# Altium PCB FOC_Controller.PcbDoc (part 1 of 2) (continued)
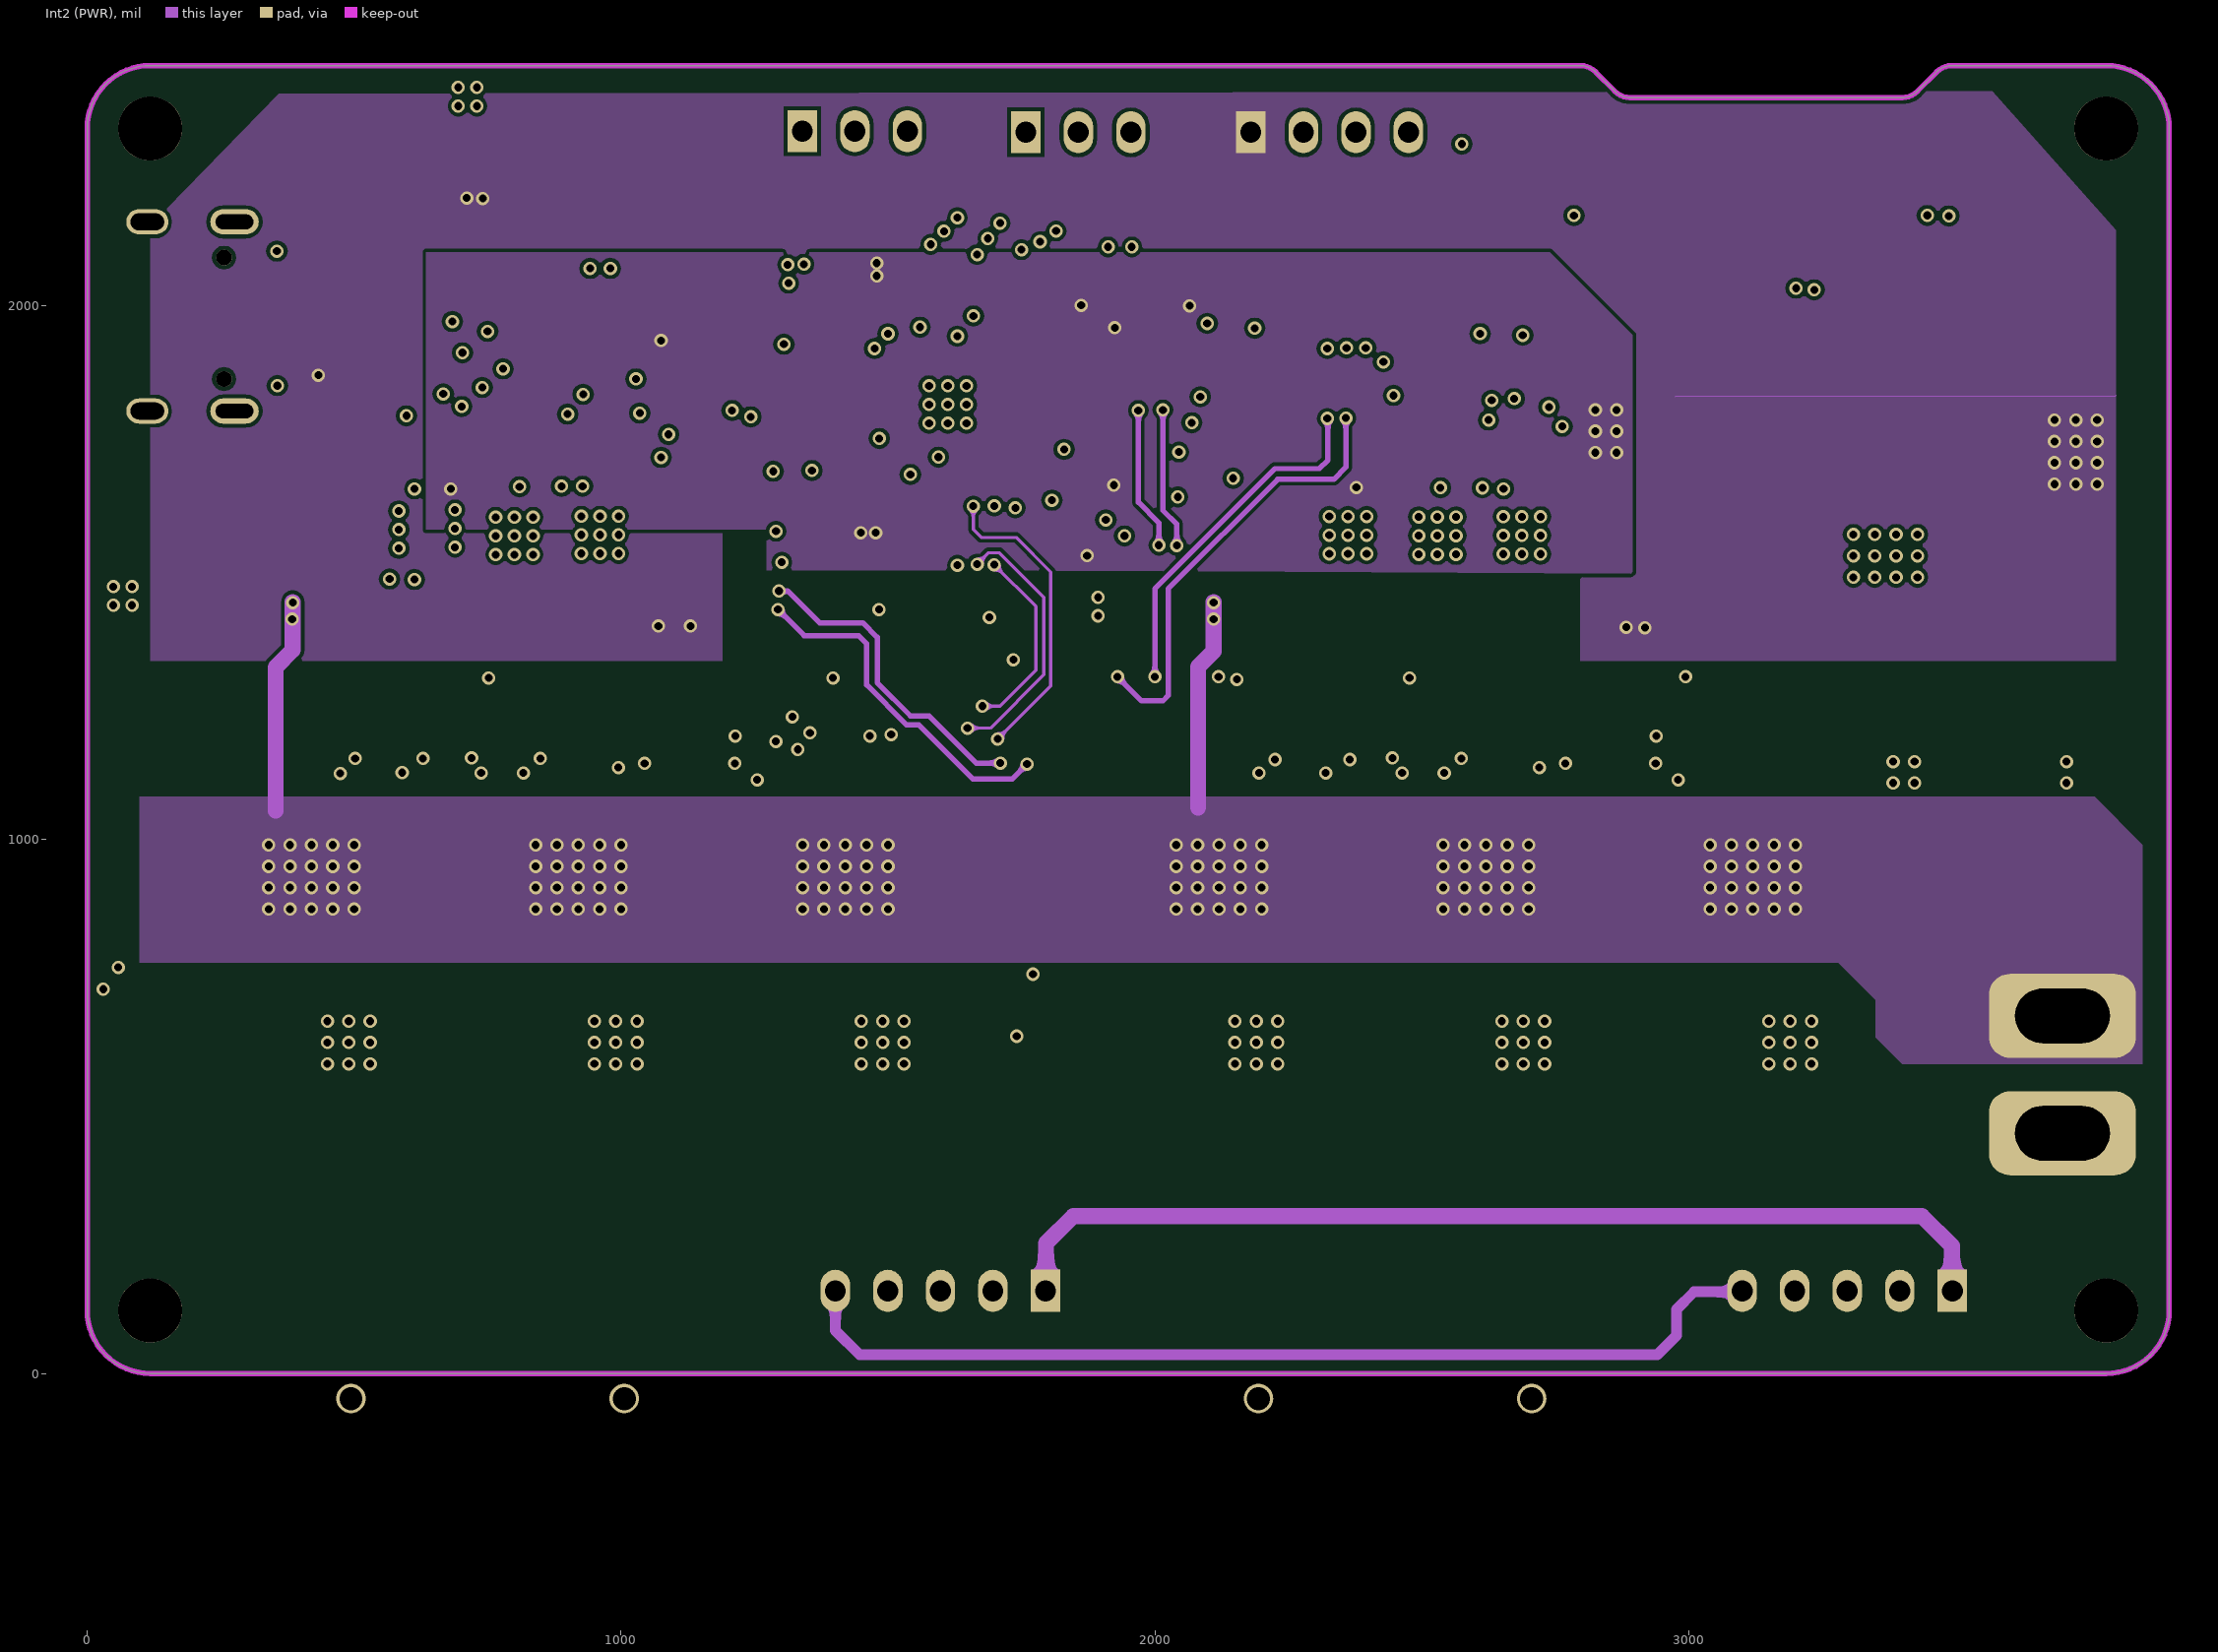
[diagram p3: Int2 (PWR)]
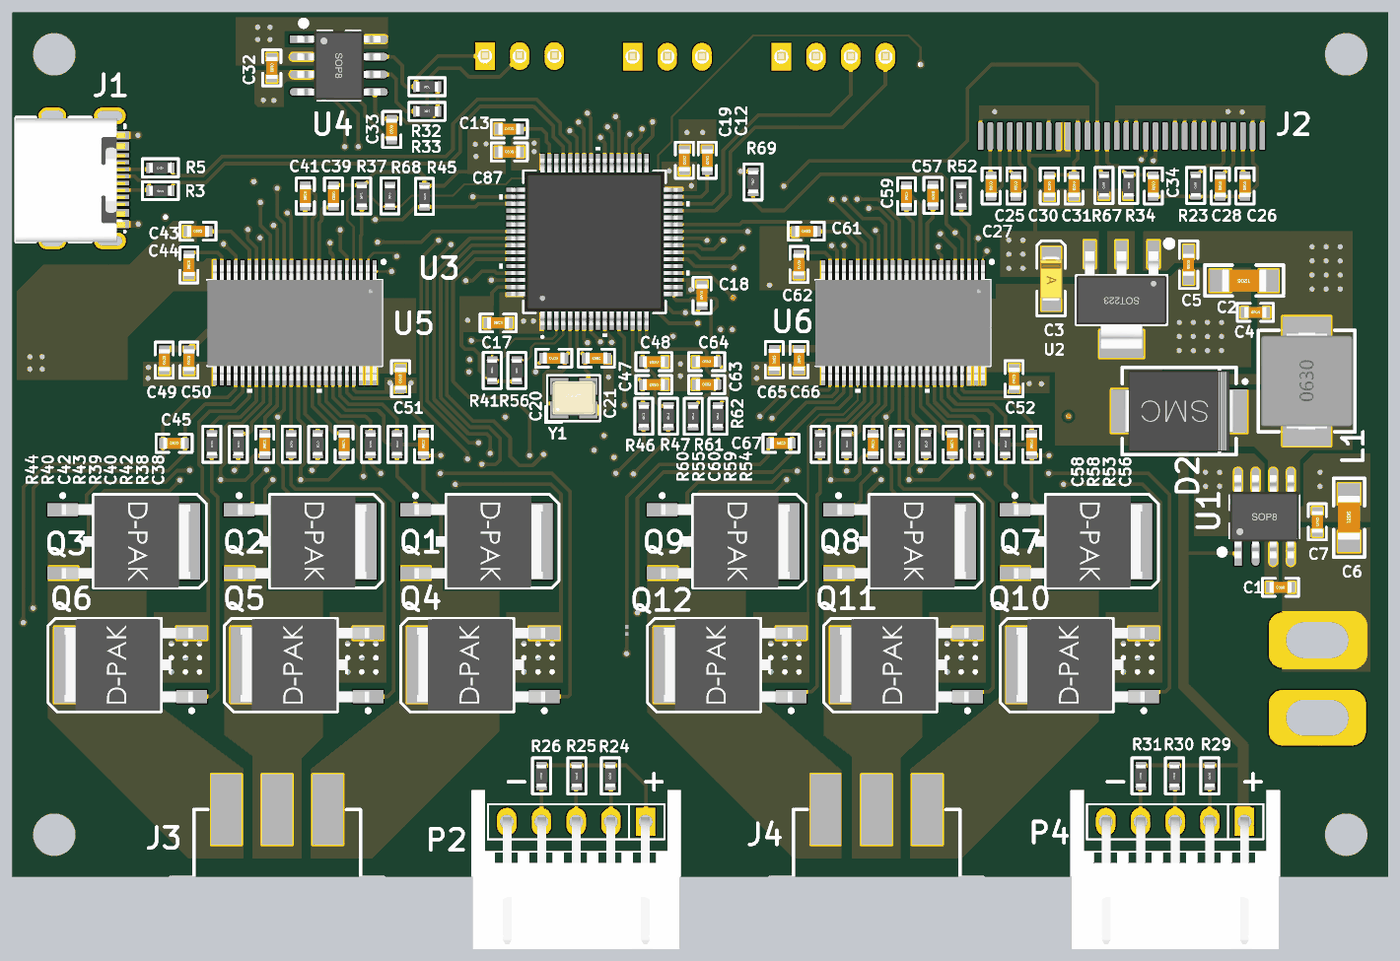
[diagram p5: 3D render of the assembled board from above, using the file's embedded part models]
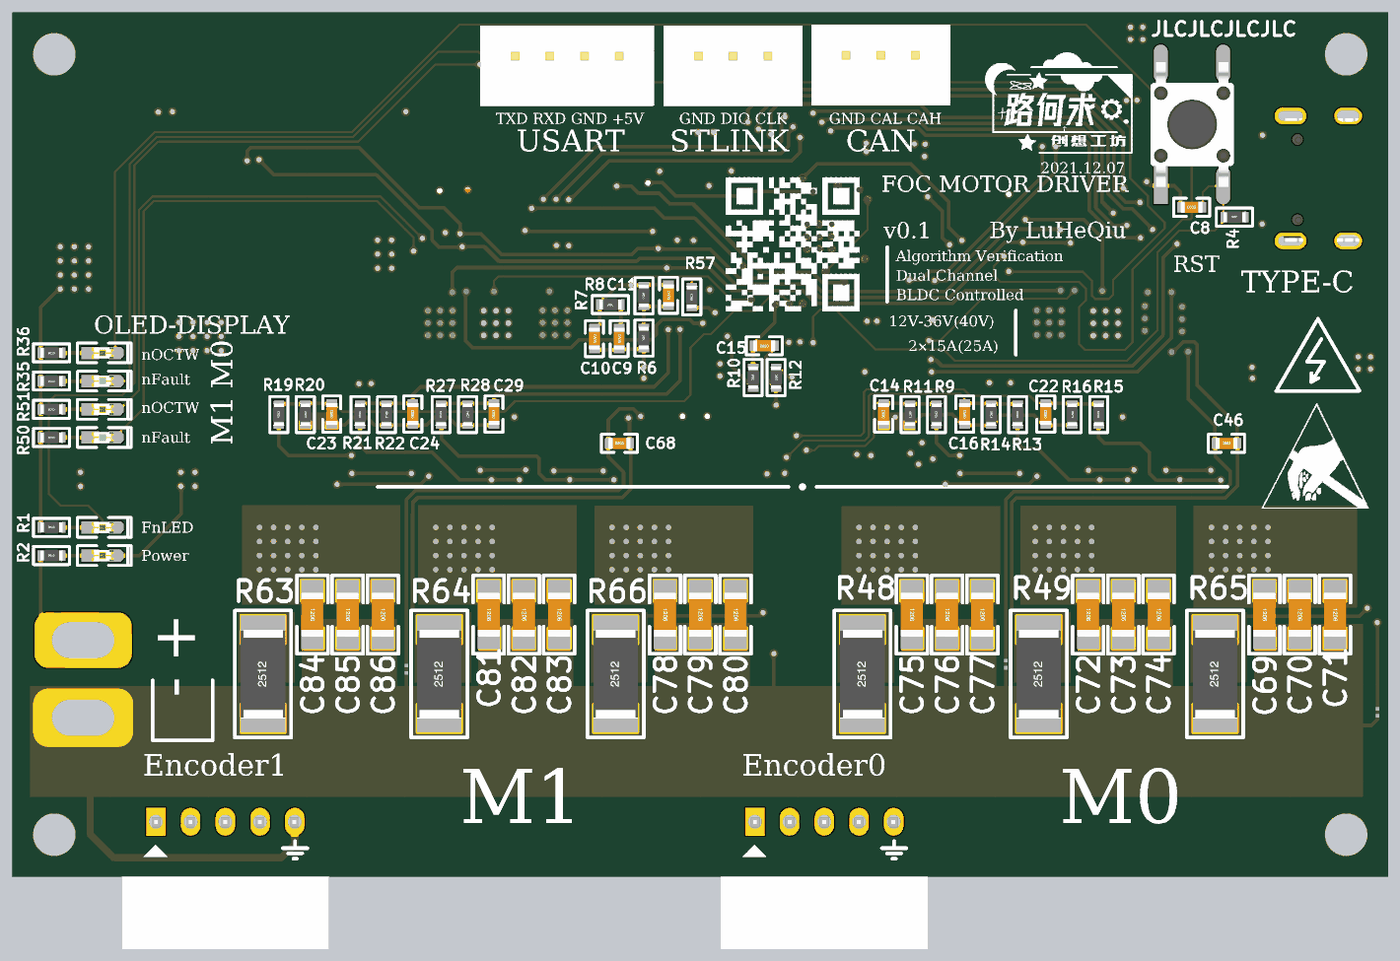
[diagram p6: 3D render of the assembled board from below, using the file's embedded part models]

## Layer stack, top to bottom
Top Solder: solder mask 1, SM-001, Dk 4
Top Layer: signal copper 1.378
Dielectric 1: prepreg 5.1, PP-017, Dk 4.3
Dielectric 2: prepreg 5.1, PP-017, Dk 4.3
Int1 (GND): signal copper 1.378
Dielectric 3: core 28, Core-039, Dk 4.8
Int2 (PWR): signal copper 1.378
Dielectric 4: prepreg 5.1, PP-017, Dk 4.3
Dielectric 5: prepreg 5.1, PP-017, Dk 4.3
Bottom Layer: signal copper 1.378
Bottom Solder: solder mask 1, SM-001, Dk 4

## Board outline
118.11,0.15 cw(c118.11,118.26) 0,118.26 0,118.11 0,2331.89 cw(c118.11,2331.89) 118.11,2450 2796.93,2450 2796.93,2449.93 cw(c2796.93,2409.93) 2825.22,2438.22 2861.72,2401.72 ccw(c2890,2430) 2890,2390 3400,2390 ccw(c3400,2430) 3428.28,2401.72 3464.78,2438.22 cw(c3493.07,2409.93) 3493.07,2449.93 3493.07,2450 3781.89,2450 cw(c3781.89,2331.89) 3900,2331.89 3900,118.11 cw(c3781.89,118.11) 3781.89,0

## Design rules (kind name [scope] priority, off if disabled: settings)
Clearance [All] p1: gap=7 ignorepadtopadclearanceinfootprint=FALSE
DiffPairsRouting [All] p1: maxlimit=10 minlimit=10 mostfreqgap=10 toplayer_minwidth=10 toplayer_maxwidth=15 toplayer_prefwidth=15 midlayer1_minwidth=10 midlayer1_maxwidth=15 midlayer1_prefwidth=15 midlayer2_minwidth=10 midlayer2_maxwidth=15 midlayer2_prefwidth=15 bottomlayer_minwidth=10 bottomlayer_maxwidth=15 bottomlayer_prefwidth=15 maxuncoupledlength=500
HoleSize [All] p1: absolutevalues=TRUE maxlimit=248.03 minlimit=5 maxpercent=80.000 minpercent=20.000
HoleToHoleClearance [All] p1: gap=7 allowstackedmicrovias=TRUE
PlaneConnect [All] p1: planeconnectstyle=Direct reliefexpansion=20 reliefentries=4 reliefconductorwidth=10 reliefairgap=10
PolygonConnect [All] p1: connectstyle=Direct reliefconductorwidth=10 reliefentries=4 polygonreliefangle="90 Angle" airgapwidth=10
RoutingVias [All] p1: holewidth=15 width=25 viastyle="Through Hole" minholewidth=10 minwidth=15 maxholewidth=25 maxwidth=50
SilkToSilkClearance [All] p1: silktosilkclearance=6
SilkToSolderMaskClearance [IsPad] p1: minsilkscreentomaskgap=6 clearancetoexposedcopper=TRUE
SolderMaskExpansion [All] p1: expansion=4
Width [All] p1: maxlimit=100 minlimit=6 preferedwidth=10
24 further rules are at their usual default settings.

## Classes and differential pairs
component class FOC_Driver: C38 C39 C40 C41 C42 C43 C44 C45 C46 C47 C48 C49 C50 C51 C52 C56 C57 C58 C59 C60 C61 C62 C63 C64 C65 C66 C67 C68 C69 C70 C71 C72 C73 C74 C75 C76 C77 C78 C79 C80 C81 C82 C83 C84 C85 C86 D4 D5 D6 D7 J3 J4 NT1 NT2 NT3 NT4 NT5 Q1 Q2 Q3 Q4 Q5 Q6 Q7 Q8 Q9 Q10 Q11 Q12 R35 R36 R37 R38 R39 R40 R41 R42 R43 R44 R45 R46 R47 R48 R49 R50 R51 R52 R53 R54 R55 R56 R57 R58 R59 R60 R61 R62 R63 R64 R65 R66 R68 R69 U5 U6
component class FOC_Controller: C1 C2 C3 C4 C5 C6 C7 C8 C9 C10 C11 C12 C13 C14 C15 C16 C17 C18 C19 C20 C21 C22 C23 C24 C25 C26 C27 C28 C29 C30 C31 C32 C33 C34 C87 D1 D2 D3 J1 J2 L1 P1 P2 P3 P4 P5 R1 R2 R3 R4 R5 R6 R7 R8 R9 R10 R11 R12 R13 R14 R15 R16 R19 R20 R21 R22 R23 R24 R25 R26 R27 R28 R29 R30 R31 R32 R33 R34 R67 S1 U1 U2 U3 U4 Y1
differential pair USBD: +USBD_P -USBD_N

## Components (designator, comment, footprint, x,y, rotation, side; value= is the part's Value field where it differs from the comment)
C1 "Cap" "C 0603_L" 3595.59,820 r180 top value=1μF
C2 "Cap Pol1" "C 1206_M" 3492.5,1690 r180 top value=100μF
C3 "Cap Pol1" "CD A(3216)" 2945,1695 r270 top value=22μF
C4 "Cap" "C 0603_L" 3524.41,1600 r0 top value=1μF
C5 "Cap" "C 0603_M" 3335,1735 r90 top value=10μF
C6 "Cap Pol1" "C 1206_M" 3790,1017.5 r90 top value=47μF
C7 "Cap" "C 0603_L" 3700,1005.59 r270 top value=1μF
C8 "Cap" "C 0603_L" 556.5,1898 r180 bottom value=100nF
C9 "Cap" "C 0603_L" 2180,1525.5 r270 bottom value=0.01μF
C10 "Cap" "C 0603_L" 2250,1525.5 r270 bottom value=0.1μF
C11 "Cap" "C 0603_L" 2040,1648.5 r270 bottom value=0.1μF
C12 "Cap" "C 0603_L" 1970,2031.5 r270 top value=2.2μF
C13 "Cap" "C 0603_L" 1408.5,2120 r0 top value=2.2μF
C14 "Cap" "C 0603_L" 1430,1311.5 r90 bottom value=0.1μF
C15 "Cap" "C 0603_L" 1768.5,1505 r0 bottom value=100nF
C16 "Cap" "C 0603_L" 1200,1311.5 r90 bottom value=0.1μF
C17 "Cap" "C 0603_L" 1376.5,1570 r0 top value=100nF
C18 "Cap" "C 0603_L" 1955,1648.5 r90 top value=100nF
C19 "Cap" "C 0603_L" 1905,2031.5 r270 top value=100nF
C20 "Cap" "C 0603_L" 1534.41,1470 r0 top value=20pF
C21 "Cap" "C 0603_L" 1655.59,1470 r180 top value=20pF
C22 "Cap" "C 0603_L" 970,1311.5 r90 bottom value=0.1μF
C23 "Cap" "C 0603_L" 2995,1311.5 r90 bottom value=0.1μF
C24 "Cap" "C 0603_L" 2765,1311.5 r90 bottom value=0.1μF
C25 "Cap" "C 0603_L" 2845,1958.5 r90 top value="4.7μF 16V X7R"
C26 "Cap" "C 0603_L" 3495,1958.5 r90 top value=2.2μF
C27 "Cap" "C 0603_L" 2775,1958.5 r90 top value="1μF 16V X5R"
C28 "Cap" "C 0603_L" 3425,1958.5 r90 top value=4.7μF
C29 "Cap" "C 0603_L" 2535,1311.5 r90 bottom value=0.1μF
C30 "Cap" "C 0603_L" 2940,1958.5 r270 top value=1μF
C31 "Cap" "C 0603_L" 3010,1958.5 r270 top value="1μF 16V"
C32 "Cap" "C 0603_L" 735,2293.5 r270 top value=100nF
C33 "Cap" "C 0603_L" 1075,2118.5 r90 top value=47nF
C34 "Cap" "C 0603_L" 3235,1958.5 r270 top value=4.7μF
C38 "Cap" "C 0603_L" 1165,1225.59 r90 top value=0.1μF
C39 "Cap" "C 0603_L" 910,1930 r270 top value=2.2μF
C40 "Cap" "C 0603_L" 940,1225.59 r90 top value=0.1μF
C41 "Cap" "C 0603_L" 830,1930 r90 top value=0.022μF
C42 "Cap" "C 0603_L" 715,1225.59 r90 top value=0.1μF
C43 "Cap" "C 0603_L" 525.59,1830 r0 top value=1μF
C44 "Cap" "C 0603_L" 500,1734.41 r90 top value=1μF
C45 "Cap" "C 0603_L" 457.68,1228.35 r0 top value=1000pF
C46 "Cap" "C 0603_L" 457.68,1228.35 r180 bottom value=1000pF
C47 "Cap" "C 0603_L" 1818.5,1395 r180 top value=2200pF
C48 "Cap" "C 0603_L" 1818.5,1460 r180 top value=2200pF
C49 "Cap" "C 0603_L" 430,1464.41 r90 top value=4.7μF
C50 "Cap" "C 0603_L" 500,1464.41 r90 top value=0.1μF
C51 "Cap" "C 0603_L" 1100,1411.5 r90 top value=100nF
C52 "Cap" "C 0603_L" 2840,1411.5 r90 top value=100nF
C56 "Cap" "C 0603_L" 2890,1225.59 r90 top value=0.1μF
C57 "Cap" "C 0603_L" 2610,1931.5 r270 top value=2.2μF
C58 "Cap" "C 0603_L" 2665,1225.59 r90 top value=0.1μF
C59 "Cap" "C 0603_L" 2535,1930 r90 top value=0.022μF
C60 "Cap" "C 0603_L" 2440,1225.59 r90 top value=0.1μF
C61 "Cap" "C 0603_L" 2250.59,1830 r0 top value=1μF
C62 "Cap" "C 0603_L" 2230,1735.59 r90 top value=1μF
C63 "Cap" "C 0603_L" 1968.5,1395 r0 top value=2200pF
C64 "Cap" "C 0603_L" 1968.5,1460 r0 top value=2200pF
C65 "Cap" "C 0603_L" 2160,1465.59 r90 top value=4.7μF
C66 "Cap" "C 0603_L" 2230,1465.59 r90 top value=0.1μF
C67 "Cap" "C 0603_L" 2179.14,1228.35 r0 top value=1000pF
C68 "Cap" "C 0603_L" 2179.13,1228.35 r180 bottom value=1000pF
C69 "Cap" "C 1206_M" 350,742.5 r270 bottom value=100μF
C70 "Cap" "C 1206_M" 250,742.5 r270 bottom value=100μF
C71 "Cap" "C 1206_M" 150,742.5 r270 bottom value=100μF
C72 "Cap" "C 1206_M" 850,742.5 r270 bottom value=100μF
C73 "Cap" "C 1206_M" 750,742.5 r270 bottom value=100μF
C74 "Cap" "C 1206_M" 650,742.5 r270 bottom value=100μF
C75 "Cap" "C 1206_M" 1350,742.5 r270 bottom value=100μF
C76 "Cap" "C 1206_M" 1250,742.5 r270 bottom value=100μF
C77 "Cap" "C 1206_M" 1150,742.5 r270 bottom value=100μF
C78 "Cap" "C 1206_M" 2050,742.5 r270 bottom value=100μF
C79 "Cap" "C 1206_M" 1950,742.5 r270 bottom value=100μF
C80 "Cap" "C 1206_M" 1850,742.5 r270 bottom value=100μF
C81 "Cap" "C 1206_M" 2550,742.5 r270 bottom value=100μF
C82 "Cap" "C 1206_M" 2450,742.5 r270 bottom value=100μF
C83 "Cap" "C 1206_M" 2350,742.5 r270 bottom value=100μF
C84 "Cap" "C 1206_M" 3050,742.5 r270 bottom value=100μF
C85 "Cap" "C 1206_M" 2950,742.5 r270 bottom value=100μF
C86 "Cap" "C 1206_M" 2850,742.5 r270 bottom value=100μF
C87 "Cap" "C 0603_L" 1408.5,2055 r0 top value=100nF
D1 "BLUE_LED" "LED 0603B" 3645,989.74 r180 bottom
D2 "SS56" SMC 3308.27,1320 r0 top
D3 "GREEN_LED" "LED 0603G" 3645,909.74 r180 bottom
D4 "YELLOW_LED" "LED 0603Y" 3645,1405 r180 bottom
D5 "RED_LED" "LED 0603R" 3645,1484.74 r180 bottom
D6 "YELLOW_LED" "LED 0603Y" 3645,1245 r180 bottom
D7 "RED_LED" "LED 0603R" 3645,1324.74 r180 bottom
Designator22 "Comment" LUHEQIU_WEB_10mm_TOP 1680,1785 r270 bottom
Designator23 "Comment" ICO1 210,1155 r180 bottom
Designator24 "Comment" LUHEQIU_LOGO_BLAY_512 925,2190 r180 bottom
Designator25 "Comment" INO5 200,1580 r180 bottom
J1 "USB-C" USB-C-SMD_TYPE-C-USB-5 210,1980 r270 top
J2 "OLED 128*64" "OLED 0.96'' 128x64" 3140.83,2100 r0 top
J3 "三相连接器-插座" MR30PW-M 750,150 r0 top
J4 "三相连接器-插座" MR30PW-M 2450,150 r0 top
L1 "Inductor" L-SMD-0630 3670,1405 r90 top value=47μH/3A
NT1 "Net Tie" "Net Tie" 1083.66,601.65 r270 bottom net-tie
NT2 "Net Tie" "Net Tie" 29.53,465.55 r270 bottom net-tie
NT3 "Net Tie" "Net Tie" 2783.46,587.44 r270 bottom net-tie
NT4 "Net Tie" "Net Tie" 1741.14,697.83 r270 top net-tie
NT5 "Net Tie" "Net Tie 40mil" 3259,1102 r180 top net-tie
P1 "USART" SIPA04 2179.72,2325 r0 bottom
P2 "M0_Encoder" SIPB05 1598.15,155 r180 top
P3 "CAN" SIPA03 1339.57,2327 r0 bottom
P4 "M1_Encoder" SIPB05 3296.85,155 r180 top
P5 "STLINK" SIPA03 1758.15,2325 r0 bottom
Q1 "KIA50N03BD" "TO252 - 3" 1315.35,950 r0 top
Q2 "KIA50N03BD" "TO252 - 3" 815.35,950 r0 top
Q3 "KIA50N03BD" "TO252 - 3" 315.35,950 r0 top
Q4 "KIA50N03BD" "TO252 - 3" 1334.65,600 r180 top
Q5 "KIA50N03BD" "TO252 - 3" 834.65,600 r180 top
Q6 "KIA50N03BD" "TO252 - 3" 334.65,600 r180 top
Q7 "KIA50N03BD" "TO252 - 3" 3015.35,950 r0 top
Q8 "KIA50N03BD" "TO252 - 3" 2515.35,950 r0 top
Q9 "KIA50N03BD" "TO252 - 3" 2015.35,950 r0 top
Q10 "KIA50N03BD" "TO252 - 3" 3034.65,600 r180 top
Q11 "KIA50N03BD" "TO252 - 3" 2534.65,600 r180 top
Q12 "KIA50N03BD" "TO252 - 3" 2034.65,600 r180 top
R1 "Res2" "R 0603_L" 3790,990 r180 bottom value=1K
R2 "Res2" "R 0603_L" 3790,910 r180 bottom value=12K
R3 "Res2" "R 0603_L" 419,1945 r180 top value=22Ω
R4 "Res2" "R 0603_L" 435,1870 r180 bottom value=4.7K
R5 "Res2" "R 0603_L" 419,2010 r180 top value=22Ω
R6 "Res2" "R 0603_L" 2110,1527 r90 bottom value=43K
R7 "Res2" "R 0603_L" 2205,1622 r0 bottom value=3.3Ω
R8 "Res2" "R 0603_L" 2110,1647 r90 bottom value=3.9K
R9 "Res2" "R 0603_L" 1280,1310 r90 bottom value=43K
R10 "Res2" "R 0603_L" 1800,1415 r90 bottom value=0Ω
R11 "Res2" "R 0603_L" 1355,1310 r270 bottom value=3.9K
R12 "Res2" "R 0603_L" 1735,1415 r270 bottom value=0Ω
R13 "Res2" "R 0603_L" 1050,1310 r90 bottom value=43K
R14 "Res2" "R 0603_L" 1125,1310 r270 bottom value=3.9K
R15 "Res2" "R 0603_L" 820,1310 r90 bottom value=43K
R16 "Res2" "R 0603_L" 895,1310 r270 bottom value=3.9K
R19 "Res2" "R 0603_L" 3145,1310 r90 bottom value=43K
R20 "Res2" "R 0603_L" 3070,1310 r270 bottom value=3.9K
R21 "Res2" "R 0603_L" 2915,1310 r90 bottom value=43K
R22 "Res2" "R 0603_L" 2840,1310 r270 bottom value=3.9K
R23 "Res2" "R 0603_L" 3355,1960 r90 top value=910KΩ
R24 "Res2" "R 0603_L" 1695,285 r90 top value=4.7K
R25 "Res2" "R 0603_L" 1600,285 r90 top value=4.7K
R26 "Res2" "R 0603_L" 1500,285 r90 top value=4.7K
R27 "Res2" "R 0603_L" 2685,1310 r90 bottom value=43K
R28 "Res2" "R 0603_L" 2610,1310 r270 bottom value=3.9K
R29 "Res2" "R 0603_L" 3395,285 r90 top value=4.7K
R30 "Res2" "R 0603_L" 3295,285 r90 top value=4.7K
R31 "Res2" "R 0603_L" 3200,285 r90 top value=4.7K
R32 "Res2" "R 0603_L" 1175,2240 r180 top value=60Ω
R33 "Res2" "R 0603_L" 1175,2170 r0 top value=60Ω
R34 "Res2" "R 0603_L" 3165,1960 r270 top value=4.7KΩ
R35 "Res2" "R 0603_L" 3790,1405 r0 bottom value=1K
R36 "Res2" "R 0603_L" 3790,1485 r0 bottom value=1K
R37 "Res2" "R 0603_L" 990,1930 r90 top value=1Ω
R38 "Res2" "R 0603_L" 1090,1225.59 r270 top value=10
R39 "Res2" "R 0603_L" 865,1225.59 r270 top value=10
R40 "Res2" "R 0603_L" 640,1225.59 r270 top value=10
R41 "Res2" "R 0603_L" 1360,1435 r90 top value=4.7K
R42 "Res2" "R 0603_L" 1015,1225.59 r270 top value=10
R43 "Res2" "R 0603_L" 790,1225.59 r270 top value=10
R44 "Res2" "R 0603_L" 565,1225.59 r270 top value=10
R45 "Res2" "R 0603_L" 1168,1929 r270 top value=4.7K
R46 "Res2" "R 0603_L" 1790,1305 r90 top value=56Ω
R47 "Res2" "R 0603_L" 1860,1305 r90 top value=56Ω
R48 "Res2" "R 2512_M" 1490,574.02 r90 bottom value="0.005Ω 4W"
R49 "Res2" "R 2512_M" 990,574.02 r90 bottom value="0.005Ω 4W"
R50 "Res2" "R 0603_L" 3790,1245 r0 bottom value=1K
R51 "Res2" "R 0603_L" 3790,1325 r0 bottom value=1K
R52 "Res2" "R 0603_L" 2690,1930 r90 top value=1Ω
R53 "Res2" "R 0603_L" 2815,1225.59 r270 top value=10
R54 "Res2" "R 0603_L" 2590,1225.59 r270 top value=10
R55 "Res2" "R 0603_L" 2365,1225.59 r270 top value=10
R56 "Res2" "R 0603_L" 1430,1435 r90 top value=4.7K
R57 "Res2" "R 0603_L" 1974,1643.5 r90 bottom value=4.7K
R58 "Res2" "R 0603_L" 2740,1225.59 r270 top value=10
R59 "Res2" "R 0603_L" 2515,1225.59 r270 top value=10
R60 "Res2" "R 0603_L" 2290,1225.59 r270 top value=10
R61 "Res2" "R 0603_L" 1930,1305 r90 top value=56Ω
R62 "Res2" "R 0603_L" 2000,1305 r90 top value=56Ω
R63 "Res2" "R 2512_M" 3190,574.02 r90 bottom value="0.005Ω 4W"
R64 "Res2" "R 2512_M" 2690,574.02 r90 bottom value="0.005Ω 4W"
R65 "Res2" "R 2512_M" 490,574.02 r90 bottom value="0.005Ω 4W"
R66 "Res2" "R 2512_M" 2190,574.02 r90 bottom value="0.005Ω 4W"
R67 "Res2" "R 0603_L" 3095,1960 r90 top value=4.7KΩ
R68 "Res2" "R 0603_L" 1070,1930 r90 top value=4.7K
R69 "Res2" "R 0603_L" 2100,1970 r90 top value=4.7K
S1 "SW-PB" "TSW SMD-6*6*5" 555,2133 r90 bottom
U1 "XL2011" SOP8_N 3550,1020 r90 top
U2 "CJT1117-3.3" SOT223_N 3145,1635 r180 top
U3 "STM32F405RGT6" LQFP64-10x10mm 1650,1800 r90 top
U4 "TJA1040" SOP8_N 925,2300 r0 top
U5 "DRV8303" DCA48_4P42X3P48 800,1570 r270 top
U6 "DRV8303" DCA48_4P42X3P48 2525,1570 r270 top
Y1 "8MHz" "OSC 3225-4P" 1591.34,1356.54 r0 top

## Footprints (in the part's own frame and the unit in brackets; to place one, negate y for a bottom-side part, rotate by r counter-clockwise, add the part's x,y. Pads: shape width x height; smd on the part's side, far side on the other; paste and mask are expansions set on the pad)
"C 0603_L" [mil] "无极性贴片电容"
  rect 20x30 smd: 1(-31.5,0) 2(31.5,0)
  silkscreen extent -51,-26 51,26, body extent -31,-16 31,16, height 32
"C 0603_M" [mil] "无极性贴片电容"
  rect 40x30 smd: 1(-36.5,0) 2(36.5,0)
  silkscreen extent -68,-26 68,26, body extent -31,-16 31,16, height 32
"C 1206_M" [mil] "无极性贴片电容"
  rect 60x62.99 smd: 1(-67.5,0) 2(67.5,0)
  silkscreen extent -112,-44 112,44, body extent -63,-32 63,32, height 48
"CD A(3216)" [mm] "长3.2mm，宽1.6mm，厚1.6mm"
  rect 1.2x1.4 smd: 1(-1.7,0) 2(1.7,0)
  silkscreen extent -2.74,-1.02 2.67,1.02, body extent -1.6,-0.8 1.6,0.8, height 1.6
DCA48_4P42X3P48 [mil]
  rect 66x11 smd: 1(-144.5,226.38) 2(-144.5,206.69) 3(-144.5,187.01) 4(-144.5,167.32) 5(-144.5,147.64) 6(-144.5,127.95) 7(-144.5,108.27) 8(-144.5,88.58) 9(-144.5,68.9) 10(-144.5,49.21) 11(-144.5,29.53) 12(-144.5,9.84) 13(-144.5,-9.84) 14(-144.5,-29.53) 15(-144.5,-49.21) 16(-144.5,-68.9) 17(-144.5,-88.58) 18(-144.5,-108.27) 19(-144.5,-127.95) 20(-144.5,-147.64) 21(-144.5,-167.32) 22(-144.5,-187.01) 23(-144.5,-206.69) 24(-144.5,-226.38) 25(144.5,-226.38) 26(144.5,-206.69) 27(144.5,-187.01) 28(144.5,-167.32) 29(144.5,-147.64) 30(144.5,-127.95) 31(144.5,-108.27) 32(144.5,-88.58) 33(144.5,-68.9) 34(144.5,-49.21) 35(144.5,-29.53) 36(144.5,-9.84) 37(144.5,9.84) 38(144.5,29.53) 39(144.5,49.21) 40(144.5,68.9) 41(144.5,88.58) 42(144.5,108.27) 43(144.5,127.95) 44(144.5,147.64) 45(144.5,167.32) 46(144.5,187.01) 47(144.5,206.69) 48(144.5,226.38)
  rect 137.01x174.02 smd paste-86.51 mask+0: 49(0,0)
  silkscreen extent -177,-248 198,256, body extent -164,-248 164,248, height 47
ICO1 [mil] "@sucaita.com 素材塔"
  silkscreen extent -148,-111 156,187
INO5 [mil] "@sucaita.com 素材塔"
  silkscreen extent -117,-203 120,2
L-SMD-0630 [mm] "一体化成型电感                    @sucaita.com 素材塔"
  rect 3x3.5 smd: 1(-3.175,0) 2(3.175,0)
  silkscreen extent -3.66,-3.48 3.66,3.48, body extent -3.47,-3.3 3.47,3.3, height 3.05
"LED 0603B" [mil] "蓝色0603LED                    @sucaita.com 素材塔"
  rect 50x35 smd: 1(-35,0.26)
  oct 50x35 smd: 2(35,0.26)
  silkscreen extent -71,-28 81,28, body extent -31,-16 31,16, height 24
"LED 0603G" [mil] "绿色0603LED                    @sucaita.com 素材塔"
  rect 50x35 smd: 1(-35,0.26)
  oct 50x35 smd: 2(35,0.26)
  silkscreen extent -71,-28 81,28, body extent -31,-16 31,16, height 24
"LED 0603R" [mil] "红色0603LED                    @sucaita.com 素材塔"
  rect 50x35 smd: 1(-35,0.26)
  oct 50x35 smd: 2(35,0.26)
  silkscreen extent -71,-28 81,28, body extent -31,-16 31,16, height 24
"LED 0603Y" [mil] "黄色0603LED                    @sucaita.com 素材塔"
  rect 50x35 smd: 1(-35,0)
  oct 50x35 smd: 2(35,0)
  silkscreen extent -71,-28 81,28, body extent -31,-16 31,16, height 24
LQFP64-10x10mm [mil]
  rect 47x12 smd paste+0 mask+3.15: 1(-226.38,147.64) 2(-226.38,127.95) 3(-226.38,108.27) 4(-226.38,88.58) 5(-226.38,68.9) 6(-226.38,49.21) 7(-226.38,29.53) 8(-226.38,9.84) 9(-226.38,-9.84) 10(-226.38,-29.53) 11(-226.38,-49.21) 12(-226.38,-68.9) 13(-226.38,-88.58) 14(-226.38,-108.27) 15(-226.38,-127.95) 16(-226.38,-147.64) 33(226.38,-147.64) 34(226.38,-127.95) 35(226.38,-108.27) 36(226.38,-88.58) 37(226.38,-68.9) 38(226.38,-49.21) 39(226.38,-29.53) 40(226.38,-9.84) 41(226.38,9.84) 42(226.38,29.53) 43(226.38,49.21) 44(226.38,68.9) 45(226.38,88.58) 46(226.38,108.27) 47(226.38,127.95) 48(226.38,147.64)